# Allegro board FMDEMOD-Long.brd (continued)
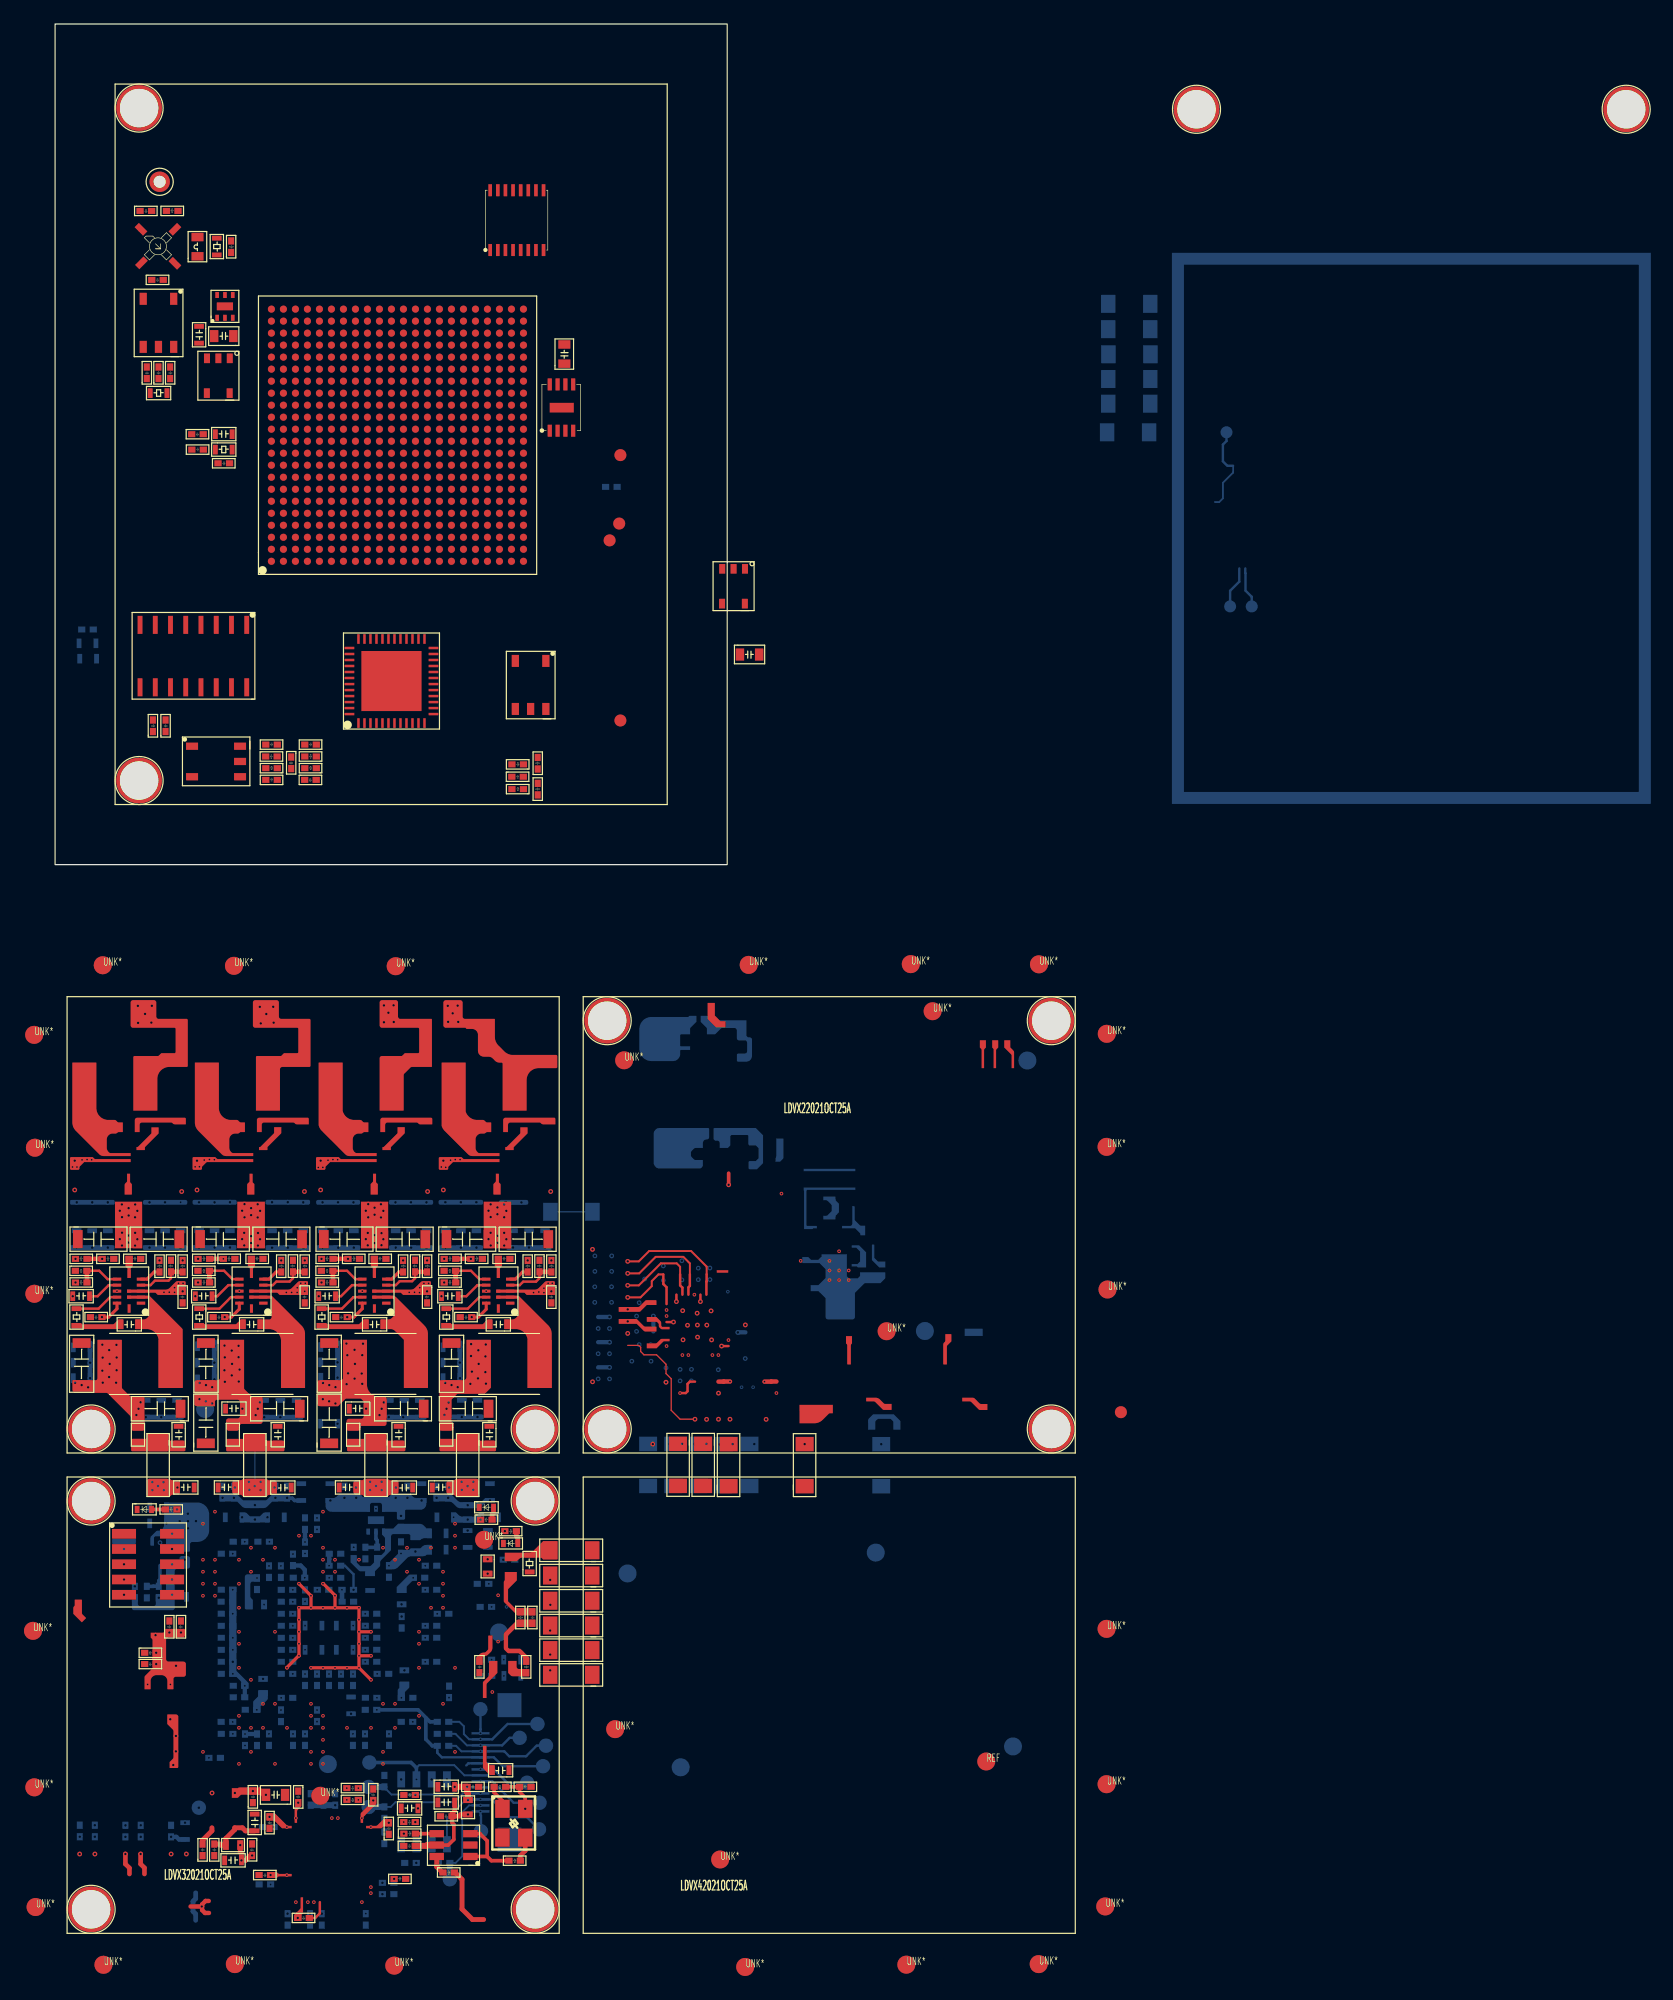
[diagram p0: board, top side]
## Placement (name value [footprint] x y rotation side) (continued)
TP21  T POINT S  [TP_SMD_CIR_1D2]  40.37 -78.13 180 bottom
TP22  T POINT S  [TP_SMD_CIR_1D2]  26.13 -78.48 180 bottom
TP23  T POINT S  [TP_SMD_CIR_1D2]  11.98 -78.54 180 bottom
TP24  T POINT S  [TP_SMD_CIR_1D2]  40.32 -80.34 180 bottom
TP25  T POINT S  [TP_SMD_CIR_1D2]  35.48 -80.5 180 bottom
TP26  T POINT S  [TP_SMD_CIR_1D2]  32.89 -84.5 180 bottom
TP27  T POINT R  [SCREW-M3]  7 63 0 top
TP28  T POINT R  [SCREW-M3]  7 7 0 top
TP29  T POINT R  [SCREW-M3]  3 -47 0 top
TP30  T POINT R  [SCREW-M3]  40 -47 0 top
TP31  T POINT R  [SCREW-M3]  46 -13 0 top
TP32  T POINT R  [SCREW-M3]  83 -13 0 top
TP33  T POINT R  [SCREW-M3]  46 -47 0 top
TP34  T POINT R  [SCREW-M3]  83 -47 0 top
TP35  T POINT R  [SCREW-M3]  95.1 62.9 0 top
TP36  T POINT R  [SCREW-M3]  130.9 62.9 0 top
TP39  T POINT R  [SCREW-M3]  40 -87 0 top
TP40  T POINT R  [SCREW-M3]  3 -87 0 top
TP41  T POINT R  [SCREW-M3]  3 -53 0 top
TP42  T POINT R  [SCREW-M3]  40 -53 0 top
TP43  T POINT R  [TP_SMD_CIR_1D0]  97.6 36 180 bottom
TP44  T POINT R  [TP_SMD_CIR_1D0]  47.1 34.1 0 top
TP45  T POINT R  [TP_SMD_CIR_1D0]  88.8 -45.6 0 top
TP46  T POINT R  [TP_SMD_CIR_1D0]  47.1 12 0 top
TP47  T POINT R  [TP_SMD_CIR_1D0]  99.7 21.5 180 bottom
TP48  T POINT R  [TP_SMD_CIR_1D0]  97.9 21.5 180 bottom
TP49  T POINT R  [TP_SMD_CIR_1D0]  47 28.4 0 top
TP50  T POINT R  [TP_SMD_CIR_1D0]  46.2 27 0 top
U11  MP2326GD  [QFN-14]  6.17 -35.52 180 top
U12  MP2326GD  [QFN-14]  16.36 -35.52 180 top
U13  MP2326GD  [QFN-14]  26.61 -35.52 180 top
U14  MP2326GD  [QFN-14]  36.93 -35.52 180 top
U18  TPA711  [MSOP-8-PAD]  41.22 39.75 0 top
U20  EP4CE40F23I7  [FBGA-484]  18.02 25.26 90 top
U23  SGM2028-3.3  [SOT-23-5]  13.61 40.71 180 top
U24  PCM1754  [SSOP-16]  40.95 50.58 90 top
U29  SGM2028-3.3  [SOT-23-5]  56.53 23.18 180 top
U30  AD8306AR  [SO-16]  11.53 17.36 180 top
U32  SN74LVC2G34DBVR  [SOT-23-6]  34.6 -82.6 180 top
U33  LTC2207  [QFN-48]  28.03 15.29 90 top
U36  TPS74601PBQWDRVRQ1  [WSON-6]  26.74 -54.59 90 bottom
U38  TPS74601PBQWDRVRQ1  [WSON-6]  14.15 46.49 90 top
U49  EPCQ16ASI8N  [SO-8]  32.65 -76.18 180 bottom
UNK*  -  [unnamed#2]  55.41 -82.85 0 top
UNK*#2  -  [unnamed#2]  87.61 -23.51 0 top
UNK*#3  -  [unnamed#2]  35.74 -56.23 0 top
UNK*#4  -  [unnamed#2]  -1.75 -14.18 0 top
UNK*#5  -  [unnamed#2]  -1.68 -23.58 0 top
UNK*#6  -  [unnamed#2]  87.69 -35.38 0 top
UNK*#7  -  [unnamed#2]  14.9 -8.43 0 top
UNK*#8  -  [unnamed#2]  22.1 -77.54 0 top
UNK*#9  -  [unnamed#2]  -1.73 -76.84 0 top
UNK*#10  -  [unnamed#2]  14.97 -91.56 0 top
UNK*#11  -  [unnamed#2]  -1.63 -86.81 0 top
UNK*#12  -  [unnamed#2]  73.11 -12.21 0 top
UNK*#13  -  [unnamed#2]  4.03 -91.62 0 top
UNK*#14  -  [unnamed#2]  87.62 -14.09 0 top
UNK*#15  -  [unnamed#2]  87.61 -76.58 0 top
UNK*#16  -  [unnamed#2]  69.28 -38.86 0 top
UNK*#17  -  [unnamed#2]  57.5 -91.8 0 top
UNK*#18  -  [unnamed#2]  81.97 -8.3 0 top
UNK*#19  -  [unnamed#2]  -1.73 -35.74 0 top
UNK*#20  -  [unnamed#2]  47.41 -16.3 0 top
UNK*#21  -  [unnamed#2]  87.5 -86.76 0 top
UNK*#22  -  [unnamed#2]  81.95 -91.56 0 top
UNK*#23  -  [unnamed#2]  46.66 -72 0 top
UNK*#24  -  [unnamed#2]  28.38 -8.46 0 top
UNK*#25  -  [unnamed#2]  57.79 -8.35 0 top
UNK*#26  -  [unnamed#2]  3.97 -8.38 0 top
UNK*#27  -  [unnamed#2]  71.3 -8.29 0 top
UNK*#28  -  [unnamed#2]  87.61 -63.64 0 top
UNK*#29  -  [unnamed#2]  70.92 -91.61 0 top
UNK*#30  -  [unnamed#2]  -1.84 -63.81 0 top
UNK*#31  -  [unnamed#2]  28.26 -91.69 0 top
UNK*#32  -  [unnamed#2]  -1.62 -86.81 180 bottom
UNK*#33  -  [unnamed#2]  22.73 -74.91 180 bottom
UNK*#34  -  [unnamed#2]  28.38 -8.47 180 bottom
UNK*#35  -  [unnamed#2]  87.61 -63.64 180 bottom
UNK*#36  -  [unnamed#2]  70.92 -91.61 180 bottom
UNK*#37  -  [unnamed#2]  81.95 -91.56 180 bottom
UNK*#38  -  [unnamed#2]  81.01 -16.32 180 bottom
UNK*#39  -  [unnamed#2]  87.5 -86.75 180 bottom
UNK*#40  -  [unnamed#2]  72.47 -38.84 180 bottom
UNK*#41  -  [unnamed#2]  81.97 -8.3 180 bottom
UNK*#42  -  [unnamed#2]  57.79 -8.35 180 bottom
UNK*#43  -  [unnamed#2]  87.68 -35.38 180 bottom
UNK*#44  -  [unnamed#2]  36.99 -63.94 180 bottom
UNK*#45  -  [unnamed#2]  87.61 -76.58 180 bottom
UNK*#46  -  [unnamed#2]  -1.84 -63.81 180 bottom
UNK*#47  -  [unnamed#2]  52.12 -75.17 180 bottom
UNK*#48  -  [unnamed#2]  3.97 -8.38 180 bottom
UNK*#49  -  [unnamed#2]  57.49 -91.8 180 bottom
UNK*#50  -  [unnamed#2]  87.63 -14.09 180 bottom
UNK*#51  -  [unnamed#2]  4.03 -91.62 180 bottom
UNK*#52  -  [unnamed#2]  12.5 -45.33 180 bottom
UNK*#53  -  [unnamed#2]  47.7 -59.03 180 bottom
UNK*#54  -  [unnamed#2]  -1.74 -14.18 180 bottom
UNK*#55  -  [unnamed#2]  79.81 -73.44 180 bottom
UNK*#56  -  [unnamed#2]  -1.73 -76.84 180 bottom
UNK*#57  -  [unnamed#2]  16.31 -30.04 180 bottom
UNK*#58  -  [unnamed#2]  14.9 -8.43 180 bottom
UNK*#59  -  [unnamed#2]  26.65 -30.04 180 bottom
UNK*#60  -  [unnamed#2]  14.97 -91.56 180 bottom
UNK*#61  -  [unnamed#2]  -1.68 -23.58 180 bottom
UNK*#62  -  [unnamed#2]  68.38 -57.29 180 bottom
UNK*#63  -  [unnamed#2]  -1.73 -35.74 180 bottom
UNK*#64  -  [unnamed#2]  87.6 -23.5 180 bottom
UNK*#65  -  [unnamed#2]  71.29 -8.29 180 bottom
UNK*#66  -  [unnamed#2]  28.26 -91.69 180 bottom
Y4  KC3225A49.1520C30E00  [TSX-3225-4P]  36.97 -78.2 270 top

## Library data of the parts
A1 = ERA-2SM
C61-C72 C75-C82 C84-C91 C103-C106 C115-C120 C124-C135 C140 C144 C147 C148 C150-C152 C165 C184 C186 C191-C193 C198-C202 C204-C210 C212-C214 C217 C218 C364-C387 C413-C416 C420-C423 C426-C429 C432-C443 C445-C459 C461-C471 C473 C474 C478 C480-C486 C488-C491 C498-C503 C505-C512 C514 C516-C524 C526 C529-C531 C533 C534 C540-C545 C548-C552 C554-C559 C561-C565 C575 C577-C589 C593 C597-C599 C602 C608 C612-C616 C637-C641 = CAP NP
C143 C145 C146 C149 C164 C171-C173 C175 C211 C215 C216 C221 C604 C605 = CAP NP: signal model: DEFAULT_CAPACITOR_100000pF_2_1
C219 C242 C243 C617 = CAP NP: signal model: DEFAULT_CAPACITOR_1e+06pF_2_1
C220 C222 C244 = CAP NP: signal model: DEFAULT_CAPACITOR_8.200000pF_2_1
D11-D13 = LED
J4 = HEADER-2X5P
J9 = FPC-14P-0.5
L7-L10 = INDUCTOR
L13-L16 L18 L21 L22 L35-L41 = BEAD
L19 = INDUCTOR: signal model: DEFAULT_INDUCTOR_1000nH_2_1
R49-R72 R75-R78 R86-R89 R115-R117 R120 R129-R133 R136-R139 R141 R143 R146 R147 R149 R151 R152 R166 R167 R169 R177 R188 R231 R281-R290 R292 R293 R296 R304-R306 R308 R312 R315-R318 R325 R333 R351 R355 R357 R362 R375 R376 = R
R142 R191 R198 = R: signal model: DEFAULT_RESISTOR_49.900000OHM_2_1
R148 R161 R162 R185 R364-R367 = R: signal model: DEFAULT_RESISTOR_39.000000OHM_2_1
R174 R192-R197 R294 R295 R307 R310 R311 R313 R314 R319 R352 R353 R356 = R: signal model: DEFAULT_RESISTOR_22.000000OHM_2_1
T2-T4 = ADT2-1T+_0
TP3 TP11 TP12 TP27-TP36 TP39-TP50 = T POINT R
TP13-TP26 = T POINT S
U11-U14 = MP2326GD
U18 = TPA711
U20 = EP4CE40F23I7_6
U23 U29 = SGM2028-3.3
U24 = PCM1754
U30 = AD8306AR_0
U32 = SN74LVC2G34DBV
U33 = LTC2207
U36 U38 = TPS74601PBQWDRVRQ1
U49 = EPCS4SI8N_0
Y4 = OSCILLATOR

## Footprints (pads in the part's own frame, mm; a bottom-side part is the same pattern mirrored in y, then rotated)
C0402
  rect 0.6x0.5 smd: 1(0.01,0.25) 2(0.97,0.25)
C0603
  rect 0.4x0.8 smd: 1(0.1,0.4) 2(1.5,0.4)
C0805
  rect 0.7x1 smd: 1(0.2,0.62) 2(1.8,0.62)
C1206
  rect 0.8x1.5 smd: 1(-0.15,0.79) 2(3.35,0.79)
CD54-IND-2P
  rect 2x4 smd: 1(0,2.54) 2(5.08,2.54)
ERA-2SM
  rect 1x0.5 smd: 1(-2,0) 3(2,0)
  rect 0.5x1 smd: 2(0,-1.945) 4(0,2)
FB0603
  rect 0.5x0.8 smd: 1(0.2,0.4) 2(1.4,0.4)
FBGA-484
  round 0.6 smd: A1(0,0) A2(1,0) A3(2,0) A4(3,0) A5(4,0) A6(5,0) A7(6,0) A8(7,0) A9(8,0) A10(9,0) A11(10,0) A12(11,0) A13(12,0) A14(13,0) A15(14,0) A16(15,0) A17(16,0) A18(17,0) A19(18,0) A20(19,0) A21(20,0) A22(21,0) AA1(0,-20) AA2(1,-20) AA3(2,-20) AA4(3,-20) AA5(4,-20) AA6(5,-20) AA7(6,-20) AA8(7,-20) AA9(8,-20) AA10(9,-20) AA11(10,-20) AA12(11,-20) AA13(12,-20) AA14(13,-20) AA15(14,-20) AA16(15,-20) AA17(16,-20) AA18(17,-20) AA19(18,-20) AA20(19,-20) AA21(20,-20) AA22(21,-20) AB1(0,-21) AB2(1,-21) AB3(2,-21) AB4(3,-21) AB5(4,-21) AB6(5,-21) AB7(6,-21) AB8(7,-21) AB9(8,-21) AB10(9,-21) AB11(10,-21) AB12(11,-21) AB13(12,-21) AB14(13,-21) AB15(14,-21) AB16(15,-21) AB17(16,-21) AB18(17,-21) AB19(18,-21) AB20(19,-21) AB21(20,-21) AB22(21,-21) B1(0,-1) B2(1,-1) B3(2,-1) B4(3,-1) B5(4,-1) B6(5,-1) B7(6,-1) B8(7,-1) B9(8,-1) B10(9,-1) B11(10,-1) B12(11,-1) B13(12,-1) B14(13,-1) B15(14,-1) B16(15,-1) B17(16,-1) B18(17,-1) B19(18,-1) B20(19,-1) B21(20,-1) B22(21,-1) C1(0,-2) C2(1,-2) C3(2,-2) C4(3,-2) C5(4,-2) C6(5,-2) C7(6,-2) C8(7,-2) C9(8,-2) C10(9,-2) C11(10,-2) C12(11,-2) C13(12,-2) C14(13,-2) C15(14,-2) C16(15,-2) C17(16,-2) C18(17,-2) C19(18,-2) C20(19,-2) C21(20,-2) C22(21,-2) D1(0,-3) D2(1,-3) D3(2,-3) D4(3,-3) D5(4,-3) D6(5,-3) D7(6,-3) D8(7,-3) D9(8,-3) D10(9,-3) D11(10,-3) D12(11,-3) D13(12,-3) D14(13,-3) D15(14,-3) D16(15,-3) D17(16,-3) D18(17,-3) D19(18,-3) D20(19,-3) D21(20,-3) D22(21,-3) E1(0,-4) E2(1,-4) E3(2,-4) E4(3,-4) E5(4,-4) E6(5,-4) E7(6,-4) E8(7,-4) E9(8,-4) E10(9,-4) E11(10,-4) E12(11,-4) E13(12,-4) E14(13,-4) E15(14,-4) E16(15,-4) E17(16,-4) E18(17,-4) E19(18,-4) E20(19,-4) E21(20,-4) E22(21,-4) F1(0,-5) F2(1,-5) F3(2,-5) F4(3,-5) F5(4,-5) F6(5,-5) F7(6,-5) F8(7,-5) F9(8,-5) F10(9,-5) F11(10,-5) F12(11,-5) F13(12,-5) F14(13,-5) F15(14,-5) F16(15,-5) F17(16,-5) F18(17,-5) F19(18,-5) F20(19,-5) F21(20,-5) F22(21,-5) G1(0,-6) G2(1,-6) G3(2,-6) G4(3,-6) G5(4,-6) G6(5,-6) G7(6,-6) G8(7,-6) G9(8,-6) G10(9,-6) G11(10,-6) G12(11,-6) G13(12,-6) G14(13,-6) G15(14,-6) G16(15,-6) G17(16,-6) G18(17,-6) G19(18,-6) G20(19,-6) G21(20,-6) G22(21,-6) H1(0,-7) H2(1,-7) H3(2,-7) H4(3,-7) H5(4,-7) H6(5,-7) H7(6,-7) H8(7,-7) H9(8,-7) H10(9,-7) H11(10,-7) H12(11,-7) H13(12,-7) H14(13,-7) H15(14,-7) H16(15,-7) H17(16,-7) H18(17,-7) H19(18,-7) H20(19,-7) H21(20,-7) H22(21,-7) J1(0,-8) J2(1,-8) J3(2,-8) J4(3,-8) J5(4,-8) J6(5,-8) J7(6,-8) J8(7,-8) J9(8,-8) J10(9,-8) J11(10,-8) J12(11,-8) J13(12,-8) J14(13,-8) J15(14,-8) J16(15,-8) J17(16,-8) J18(17,-8) J19(18,-8) J20(19,-8) J21(20,-8) J22(21,-8) K1(0,-9) K2(1,-9) K3(2,-9) K4(3,-9) K5(4,-9) K6(5,-9) K7(6,-9) K8(7,-9) K9(8,-9) K10(9,-9) K11(10,-9) K12(11,-9) K13(12,-9) K14(13,-9) K15(14,-9) K16(15,-9) K17(16,-9) K18(17,-9) K19(18,-9) K20(19,-9) K21(20,-9) K22(21,-9) L1(0,-10) L2(1,-10) L3(2,-10) L4(3,-10) L5(4,-10) L6(5,-10) L7(6,-10) L8(7,-10) L9(8,-10) L10(9,-10) L11(10,-10) L12(11,-10) L13(12,-10) L14(13,-10) L15(14,-10) L16(15,-10) L17(16,-10) L18(17,-10) L19(18,-10) L20(19,-10) L21(20,-10) L22(21,-10) M1(0,-11) M2(1,-11) M3(2,-11) M4(3,-11) M5(4,-11) M6(5,-11) M7(6,-11) M8(7,-11) M9(8,-11) M10(9,-11) M11(10,-11) M12(11,-11) M13(12,-11) M14(13,-11) M15(14,-11) M16(15,-11) M17(16,-11) M18(17,-11) M19(18,-11) M20(19,-11) M21(20,-11) M22(21,-11) N1(0,-12) N2(1,-12) N3(2,-12) N4(3,-12) N5(4,-12) N6(5,-12) N7(6,-12) N8(7,-12) N9(8,-12) N10(9,-12) N11(10,-12) N12(11,-12) N13(12,-12) N14(13,-12) N15(14,-12) N16(15,-12) N17(16,-12) N18(17,-12) N19(18,-12) N20(19,-12) N21(20,-12) N22(21,-12) P1(0,-13) P2(1,-13) P3(2,-13) P4(3,-13) P5(4,-13) P6(5,-13) P7(6,-13) P8(7,-13) P9(8,-13) P10(9,-13) P11(10,-13) P12(11,-13) P13(12,-13) P14(13,-13) P15(14,-13) P16(15,-13) P17(16,-13) P18(17,-13) P19(18,-13) P20(19,-13) P21(20,-13) P22(21,-13) R1(0,-14) R2(1,-14) R3(2,-14) R4(3,-14) R5(4,-14) R6(5,-14) R7(6,-14) R8(7,-14) R9(8,-14) R10(9,-14) R11(10,-14) R12(11,-14) R13(12,-14) R14(13,-14) R15(14,-14) R16(15,-14) R17(16,-14) R18(17,-14) R19(18,-14) R20(19,-14) R21(20,-14) R22(21,-14) T1(0,-15) T2(1,-15) T3(2,-15) T4(3,-15) T5(4,-15) T6(5,-15) T7(6,-15) T8(7,-15) T9(8,-15) T10(9,-15) T11(10,-15) T12(11,-15) T13(12,-15) T14(13,-15) T15(14,-15) T16(15,-15) T17(16,-15) T18(17,-15) T19(18,-15) T20(19,-15) T21(20,-15) T22(21,-15) U1(0,-16) U2(1,-16) U3(2,-16) U4(3,-16) U5(4,-16) U6(5,-16) U7(6,-16) U8(7,-16) U9(8,-16) U10(9,-16) U11(10,-16) U12(11,-16) U13(12,-16) U14(13,-16) U15(14,-16) U16(15,-16) U17(16,-16) U18(17,-16) U19(18,-16) U20(19,-16) U21(20,-16) U22(21,-16) V1(0,-17) V2(1,-17) V3(2,-17) V4(3,-17) V5(4,-17) V6(5,-17) V7(6,-17) V8(7,-17) V9(8,-17) V10(9,-17) V11(10,-17) V12(11,-17) V13(12,-17) V14(13,-17) V15(14,-17) V16(15,-17) V17(16,-17) V18(17,-17) V19(18,-17) V20(19,-17) V21(20,-17) V22(21,-17) W1(0,-18) W2(1,-18) W3(2,-18) W4(3,-18) W5(4,-18) W6(5,-18) W7(6,-18) W8(7,-18) W9(8,-18) W10(9,-18) W11(10,-18) W12(11,-18) W13(12,-18) W14(13,-18) W15(14,-18) W16(15,-18) W17(16,-18) W18(17,-18) W19(18,-18) W20(19,-18) W21(20,-18) W22(21,-18) Y1(0,-19) Y2(1,-19) Y3(2,-19) Y4(3,-19) Y5(4,-19) Y6(5,-19) Y7(6,-19) Y8(7,-19) Y9(8,-19) Y10(9,-19) Y11(10,-19) Y12(11,-19) Y13(12,-19) Y14(13,-19) Y15(14,-19) Y16(15,-19) Y17(16,-19) Y18(17,-19) Y19(18,-19) Y20(19,-19) Y21(20,-19) Y22(21,-19)
FPC-14P-0D5
  rect 0.2x1.5 smd: 1(-3.251,3.479) 2(-2.751,3.479) 3(-2.251,3.479) 4(-1.751,3.479) 5(-1.251,3.479) 6(-0.751,3.479) 7(-0.251,3.479) 8(0.249,3.479) 9(0.749,3.479) 10(1.249,3.479) 11(1.749,3.479) 12(2.249,3.479) 13(2.749,3.479) 14(3.249,3.479)
  rect 2x2 smd: M1(-5.6,1.06) M2(5.6,1.066)
HEADER-2X5P-1D27-SMD
  rect 0.8x2 smd: 1(0,-4) 2(1.27,-4) 3(2.54,-4) 4(3.81,-4) 5(5.08,-4) 6(5.08,0) 7(3.81,0) 8(2.54,0) 9(1.27,0) 10(0,0)
L0805
  rect 0.7x1 smd: 1(0.2,0.62) 2(1.8,0.62)
LED0402
  rect 0.4x0.6 smd: 1(-0.1,0.25) 2(1.1,0.25)
MSOP-8-PAD
  rect 0.35x1 smd: 1(-0.001,-3.615) 2(0.649,-3.615) 3(1.299,-3.615) 4(1.949,-3.615) 5(1.949,0.241) 6(1.299,0.241) 7(0.649,0.241) 8(-0.001,0.241)
  rect 2x0.8 smd: 9(0.995,-1.694)
QFN-14
  rect 0.7x0.25 smd: 1(-0.99,1) 2(-0.99,0.5) 3(-0.99,0) 4(-0.99,-0.5) 5(-0.99,-1) 7(1.01,-1) 8(1.01,-0.5) 9(1.01,0) 10(1.01,0.5) 11(1.01,1)
  rect 0.25x0.7 smd: 6(0,-1.45) 12(0,1.45)
  rect 0.35x0.25 smd: 13(0,0.5) 14(0,0)
QFN-48
  rect 0.8x0.2 smd: 1(-3.5,2.75) 2(-3.5,2.25) 3(-3.5,1.75) 4(-3.5,1.25) 5(-3.5,0.75) 6(-3.5,0.25) 7(-3.5,-0.25) 8(-3.5,-0.75) 9(-3.5,-1.25) 10(-3.5,-1.75) 11(-3.5,-2.25) 12(-3.5,-2.75) 25(3.5,-2.75) 26(3.5,-2.25) 27(3.5,-1.75) 28(3.5,-1.25) 29(3.5,-0.75) 30(3.5,-0.25) 31(3.5,0.25) 32(3.5,0.75) 33(3.5,1.25) 34(3.5,1.75) 35(3.5,2.25) 36(3.5,2.75)
  rect 0.2x0.8 smd: 13(-2.75,-3.5) 14(-2.25,-3.5) 15(-1.75,-3.5) 16(-1.25,-3.5) 17(-0.75,-3.5) 18(-0.25,-3.5) 19(0.25,-3.5) 20(0.75,-3.5) 21(1.25,-3.5) 22(1.75,-3.5) 23(2.25,-3.5) 24(2.75,-3.5) 37(2.75,3.5) 38(2.25,3.5) 39(1.75,3.5) 40(1.25,3.5) 41(0.75,3.5) 42(0.25,3.5) 43(-0.25,3.5) 44(-0.75,3.5) 45(-1.25,3.5) 46(-1.75,3.5) 47(-2.25,3.5) 48(-2.75,3.5)
  rect 5x5 smd: 49(0,0)
R0402
  rect 0.6x0.5 smd: 1(0.01,0.25) 2(0.97,0.25)
R0603
  rect 0.4x0.8 smd: 1(0.1,0.4) 2(1.5,0.4)
R1206
  rect 1.2x1.5 smd: 1(-0.15,0.8) 2(3.35,0.8)
SCREW-M3
  round 3.8 hole 3.2 unplated: (0,0)
SM-22
  rect 0.6x1 smd: 1(0.64,-0.1) 2(3.18,-0.1) 3(3.18,3.9) 4(1.91,3.9) 5(0.64,3.9)
SO-8
  rect 0.65x1.35 smd: 1(0,-5.4) 2(1.27,-5.4) 3(2.54,-5.4) 4(3.81,-5.4) 5(3.81,0) 6(2.54,0) 7(1.27,0) 8(0,0)
SO-16
  rect 0.4x1.5 smd: 1(-4.437,-2.605) 2(-3.167,-2.605) 3(-1.897,-2.605) 4(-0.627,-2.605) 5(0.643,-2.605) 6(1.913,-2.605) 7(3.183,-2.605) 8(4.453,-2.605) 9(4.453,2.595) 10(3.183,2.595) 11(1.913,2.595) 12(0.643,2.595) 13(-0.627,2.595) 14(-1.897,2.595) 15(-3.167,2.595) 16(-4.437,2.595)
SOT-23-5
  rect 0.5x0.8 smd: 1(-0.95,-1.45) 2(0,-1.45) 3(0.95,-1.45) 4(0.96,1.45) 5(-0.94,1.45)
SOT-23-6
  rect 1.2x0.6 smd: 1(0,0) 2(0,-0.95) 3(0,-1.9) 4(2.8,-1.9) 5(2.8,-0.95) 6(2.8,0)
SSOP-16
  rect 1x0.3 smd: 1(0.6,4.7) 2(0.6,4.065) 3(0.6,3.43) 4(0.6,2.795) 5(0.6,2.16) 6(0.6,1.525) 7(0.6,0.89) 8(0.6,0.255) 9(5.58,0.255) 10(5.58,0.89) 11(5.58,1.525) 12(5.58,2.16) 13(5.58,2.795) 14(5.58,3.43) 15(5.58,4.065) 16(5.58,4.7)
TP_SMD_CIR_1D0
  round 1 smd: 1(0,0)
TP_SMD_CIR_1D2
  round 1.2 smd: 1(0,0)
TP_SMD_CIR_2D0
  round 2 smd: 1(0,0)
TP_THR_CIR_1D7_1D0
  round 1.7 hole 1: 1(0,0)
TSX-3225-4P
  rect 1.5x1.2 smd: 1(0.43,0.3) 2(2.83,0.3) 3(2.83,2.2) 4(0.43,2.2)
unnamed#2
  round 1.5 smd: (0,0)
WSON-6
  rect 0.5x0.3 smd: 1(-0.952,0.648) 2(-0.952,-0.002) 3(-0.952,-0.652) 4(0.948,-0.652) 5(0.948,-0.002) 6(0.948,0.648)
  rect 0.65x1.35 smd: 7(0,0)

## Nets
1V2_FPGA: C135.2 C446.2 C447.2 C448.2 L35.2 R132.2
1V2_FPGA_PWR: C78.1 C106.2 C120.2 C415.2 C421.2 C428.2 C432.2 C433.2 C434.2 L10.2 L16.1 R78.2
2V5_FPGA: C467.2 C489.2 L37.1 R292.1 R304.2 R306.1 U36.1
2V5_FPGA_IN: C133.2 C134.2 C449.2 C450.2 C451.2 C452.2 C453.2 C454.2 R131.2 R292.2 U36.4 U36.6
2V5_FPGA_PWR: C77.1 C105.2 C118.2 C119.2 C125.2 C414.2 C420.2 C426.2 C438.2 C439.2 C440.2 C445.2 L9.2 L15.1 R77.2
3V3_FPGA: C131.2 C132.2 C455.2 C456.2 C457.2 C458.2 C459.2 L36.1 R130.2
3V3_FPGA_PWR: C76.1 C104.2 C116.2 C117.2 C124.2 C413.2 C422.2 C429.2 C441.2 C442.2 C443.2 L8.2 L14.1 R76.2
3V3_IF: C165.2 C184.2 R161.2 R364.2 R365.2 R366.2 U23.5(\OUT\)
5V_FPGA: C145.2 C146.2 C147.2 C148.2 C150.2 C200.2 C201.2 C468.2 C480.2 C488.2 C503.2 L18.1 R148.2 R308.1 R315.2 R317.1 U23.1 U23.3 U29.1 U29.3 U38.1
5V_FPGA_IN: C130.1 C461.2 C466.2 R129.2 R308.2 TP11.1(\TP\) U38.4 U38.6
5V_FPGA_PWR: C75.1 C103.2 C115.2 C416.2 C423.2 C427.2 C435.2 C436.2 C437.2 L7.2 L13.1 R75.2
GND: A1.2 A1.4 C61.1 C62.1 C63.1 C64.1 C65.1 C66.1 C67.1 C68.1 C69.1 C70.1 C71.1 C72.1 C79.2 C80.2 C81.2 C82.2 C84.1 C85.1 C86.1 C87.1 C103.1 C104.1 C105.1 C106.1 C115.1 C116.1 C117.1 C118.1 C119.1 C120.1 C124.1 C125.1 C126.1 C127.1 C128.1 C129.1 C130.2 C131.1 C132.1 C133.1 C134.1 C135.1 C145.1 C146.1 C147.1 C148.1 C150.1 C151.1 C164.1 C165.1 C172.1 C175.2 C184.1 C186.1 C191.1 C192.1 C193.1 C198.1 C199.1 C200.1 C201.1 C202.1 C204.1 C205.1 C206.1 C207.1 C208.1 C209.1 C210.1 C211.1 C212.1 C213.1 C214.1 C217.1 C218.1 C220.1 C221.1 C242.2 C244.2 C364.1 C365.1 C366.1 C367.1 C368.1 C369.1 C370.1 C371.1 C372.1 C373.1 C374.1 C375.1 C376.1 C377.1 C378.1 C379.1 C380.1 C381.1 C382.1 C383.1 C384.1 C385.1 C386.1 C387.1 C413.1 C414.1 C415.1 C416.1 C420.1 C421.1 C422.1 C423.1 C426.1 C427.1 C428.1 C429.1 C432.1 C433.1 C434.1 C435.1 C436.1 C437.1 C438.1 C439.1 C440.1 C441.1 C442.1 C443.1 C445.1 C446.1 C447.1 C448.1 C449.1 C450.1 C451.1 C452.1 C453.1 C454.1 C455.1 C456.1 C457.1 C458.1 C459.1 C461.1 C462.1 C463.1 C464.1 C465.1 C466.1 C467.1 C468.1 C469.1 C470.1 C471.2 C473.1 C474.1 C478.1 C480.1 C481.1 C482.2 C483.2 C484.2 C485.1 C486.1 C488.1 C489.1 C490.1 C491.1 C498.2 C499.1 C500.1 C501.1 C502.1 C503.1 C505.1 C506.1 C507.1 C508.1 C509.1 C510.1 C511.1 C512.1 C514.1 C516.1 C517.1 C518.1 C519.1 C520.1 C521.1 C522.1 C523.1 C524.1 C526.1 C529.1 C530.1 C531.1 C533.1 C534.1 C540.2 C541.1 C542.1 C543.1 C544.1 C545.1 C548.1 C549.1 C550.1 C551.1 C552.2 C554.1 C555.1 C556.1 C557.1 C558.1 C559.1 C561.1 C562.1 C563.1 C564.2 C565.2 C575.1 C577.1 C578.1 C579.1 C580.1 C581.1 C582.2 C583.2 C584.2 C585.2 C586.2 C587.2 C588.2 C589.1 C593.2 C597.1 C598.1 C599.1 C602.1 C604.2 C608.1 C612.1 C613.1 C614.1 C615.2 C616.1 C617.2 C637.1 C638.1 C639.1 C640.1 C641.2 D11.1(\CATHODE\) D12.1(\CATHODE\) D13.1(\CATHODE\) J4.1 J9.6 J9.M1 J9.M2(\M2\) R50.1 R52.1 R54.1 R56.1 R58.1 R61.1 R64.1 R67.1 R69.1 R70.1 R71.1 R72.1 R139.1 R142.1 R231.1 R231.2 R287.1 R287.2 R288.1 R288.2 R289.1 R289.2 R290.1 R290.2 R294.1 R305.1 R307.1 R313.1 R316.1 R319.1 R353.1 R357.2 R367.1 T2.2 T3.2 TP12.1(\TP\) U11.1 U11.12 U12.1 U12.12 U13.1 U13.12 U14.1 U14.12 U18.1 U18.7 U18.9 U20.A1 U20.A22 U20.AA2 U20.AA22 U20.AB1 U20.AB6 U20.AB22 U20.C5 U20.C9 U20.C11 U20.C12 U20.C14 U20.C16 U20.C18 U20.D3 U20.D8 U20.E18 U20.E20 U20.F3 U20.F5 U20.F12 U20.G2 U20.G20 U20.H3 U20.H12 U20.H13 U20.J9 U20.J15 U20.J19 U20.K3 U20.K10 U20.K11 U20.K12 U20.K13 U20.K16 U20.L10 U20.L11 U20.L12 U20.L13 U20.L15 U20.L20 U20.M10 U20.M11 U20.M12 U20.M13 U20.N3 U20.N10 U20.N11 U20.N12 U20.N13 U20.N15 U20.P8 U20.P19 U20.R3 U20.R9 U20.R11 U20.R13 U20.T20 U20.U3 U20.U5 U20.V18 U20.V20 U20.W3 U20.Y5 U20.Y9 U20.Y11 U20.Y12 U20.Y15 U20.Y16 U20.Y18 U20.Y20 U23.2 U24.4 U24.9 U29.2 U30.1 U30.3 U30.6 U30.7 U30.11 U30.14 U32.2 U33.5 U33.8 U33.11 U33.15 U33.16 U33.23 U33.31 U33.38 U33.44 U33.48 U33.49 U36.3 U36.7 U38.3 U38.7 U49.4 Y4.2
VBAT_IN: C61.2 C62.2 C63.2 C64.2 C65.2 C66.2 C67.2 C68.2 C79.1 C80.1 C81.1 C82.1 C364.2 C365.2 C366.2 C367.2 C368.2 C369.2 C370.2 C371.2 C372.2 C373.2 C374.2 C375.2 C376.2 C377.2 C378.2 C379.2 C380.2 C381.2 C382.2 C383.2 C384.2 C385.2 C386.2 C387.2 R49.2 R51.2 R53.2 R55.2 R59.2 R62.2 R65.2 R68.2 U11.3(\VIN#3\) U11.14 U12.3(\VIN#3\) U12.14 U13.3(\VIN#3\) U13.14 U14.3(\VIN#3\) U14.14
VCCA_2V5: C473.2 C474.2 C482.1 C483.1 C484.1 C564.1 C565.1 C575.2 C578.2 C579.2 J9.5 L37.2 R352.1 R356.1 TP18.1(\TP\) U20.F18 U20.G6 U20.T6 U20.U18
VCCINT_1V2: C462.2 C463.2 C469.2 C486.2 C499.2 C501.2 C502.2 C506.2 C509.2 C511.2 C514.2 C516.2 C517.2 C518.2 C520.2 C522.2 C526.2 C529.2 C530.2 C531.2 C534.2 C542.2 C543.2 C548.2 C550.2 C554.2 C555.2 C556.2 C557.2 C558.2 L35.1 L38.2 L39.2 L40.2 L41.2 U20.G12 U20.H9 U20.J10 U20.J11 U20.J12 U20.J13 U20.J14 U20.J16 U20.K9 U20.K14 U20.K15 U20.L9 U20.L14 U20.L16 U20.M9 U20.M14 U20.M15 U20.N9 U20.N14 U20.P9 U20.P10 U20.P11 U20.P12 U20.P13 U20.P14 U20.R8 U20.R10 U20.R12
VCCIO_3V3: C191.2 C192.2 C198.2 C199.2 C202.2 C205.2 C208.2 C209.2 C217.2 C464.2 C465.2 C470.2 C471.1 C478.2 C481.2 C498.1 C500.2 C505.2 C510.2 C512.2 C519.2 C521.2 C523.2 C524.2 C533.2 C544.2 C545.2 C549.2 C559.2 C561.2 C562.2 C580.2 C581.2 C582.1 C583.1 C584.1 C585.1 C586.1 C587.1 C588.1 C593.1 C597.2 C598.2 C599.2 C602.2 C608.2 C612.2 C614.2 J4.10 J9.14 L21.1 L36.2 R293.2 R295.2 R310.2 R311.2 R314.2 R351.1 R355.1 R362.2 R375.2 TP25.1(\TP\) U20.A2 U20.A21 U20.AA6 U20.AB2 U20.AB21 U20.D4 U20.D5 U20.D9 U20.D11 U20.D12 U20.D14 U20.D16 U20.D18 U20.E8(\VCCIO8#E8\) U20.E19 U20.F4 U20.G19 U20.H4 U20.J20 U20.K4 U20.L19 U20.N4 U20.P18 U20.R4 U20.T19 U20.U4 U20.V19 U20.W4 U20.W5 U20.W9 U20.W11 U20.W12 U20.W16 U20.W18 U20.Y14 U20.Y19 U33.24 U33.25 U33.36 U33.37 U33.45 U49.3 U49.7 U49.8(\VCC#8\)
A_DEMP: U20.AA3 U24.13
A_FMT: U20.AA4 U24.15
A_MUTE: U20.AB3 U24.14
AD0: U20.Y2 U33.18
AD1: U20.Y1 U33.19
AD2: U20.W2 U33.20
AD3: U20.W1 U33.21
AD4: U20.V2 U33.22
AD5: U20.V1 U33.26
AD6: U20.U2 U33.27
AD7: U20.U1 U33.28
AD8: U20.R2 U33.32
AD9: U20.R1 U33.33
AD10: U20.P2 U33.34
AD11: U20.P1 U33.35
AD12: U20.N2 U33.39
AD13: U20.N1 U33.40
AD14: U20.M2 U33.41
AD15: U20.M1 U33.42
AD_DITH: U20.AA1 U33.17
AD_PGA: U20.R5 U33.47
AD_RAND: U20.R6 U33.46
ADC_3V3: C213.2 C214.2 C218.2 C613.2 C616.2 C637.2 C638.2 C639.2 C640.2 L22.2 U33.1 U33.3 U33.4(\VDD#4\) U33.12 U33.13 U33.14
AIN+: R194.1 U33.6
AIN-: R196.1 U33.7
ASDO: J9.7 TP19.1(\TP\) U20.D1 U49.5
AUDIO_5V: C491.2 C507.2 C508.2 C540.1 C541.2 C551.2 C552.1 L18.2 U18.3 U18.6 U24.6
AUDIO_OUT: R138.1
CLK2FPGA: R177.2 U20.G1
CLK_3V3: C193.2 C204.2 C206.2 C210.2 L21.2 R166.2 U32.5(\VCC\) Y4.4(\VCC\)
CLK_AD+: R167.2 U20.T2
CLK_AD-: R169.2 U20.T1
CLKO+: R167.1 U33.30
CLKO-: R169.1 U33.29
CONF_DONE: J9.13 R375.1 TP26.1(\TP\) U20.M18
CPU_RST_FPGA: TP45.1(\TP\)
CPU_RST_MCU: R281.2
CPU_UART2_RXD: R285.2 R312.1
CPU_UART2_TXD: R284.2 R318.1
CPU_UART3_RXD: R117.2
CPU_UART3_TXD: R283.2
CPU_UART4_RXD: R282.1
CPU_UART4_RXD_X: R282.2 R376.1
CPU_UART4_TXD: R286.1
CPU_UART4_TXD_X: R286.2 R296.1
DATA0: J9.9 R174.1 TP21.1(\TP\) U20.K1
DCLK: J9.8 TP17.1(\TP\) U20.K2 U49.6
ECSPI3_CS0: R284.1
ECSPI3_MISO: R116.1
ECSPI3_MOSI: R115.1
ECSPI3_SCLK: R285.1
ENC+: R197.2 U33.9
ENC-: R192.2 U33.10
FPGA_RST_CPU: TP46.1(\TP\) U20.AB7
FPGA_RST_MCU: R152.2 U20.AB9
FPGA_SPI2_CS: R147.2 U20.AA15
FPGA_SPI2_MISO: R333.2 U20.AB14
FPGA_SPI2_MOSI: R149.2 U20.AA14
FPGA_SPI2_SCLK: R325.2 U20.AB15
FPGA_SPI_CS: R318.2 U20.AB16
FPGA_SPI_MISO: R143.2 U20.AA16
FPGA_SPI_MOSI: R141.2 U20.AA17
FPGA_SPI_SCLK: R312.2 U20.AB17
FPGA_UART2_RXD: TP50.1(\TP\) U20.V5
FPGA_UART2_TXD: TP49.1(\TP\) U20.V4
FPGA_UART_RXD: R296.2 U20.AB18
FPGA_UART_TXD: R376.2 U20.Y3
I2S_BCK: U20.Y4 U24.1
I2S_DATA: U20.AB5 U24.2
I2S_LRCK: U20.AA5 U24.3
I2S_SCK: U20.AB4 U24.16
IO2: J4.2 U20.A18
IO3: J4.3 U20.A17
IO4: J4.4 U20.A16
IO5: J4.5 U20.A15
IO6: J4.6 U20.B15
IO7: J4.7 U20.B16
IO8: J4.8 U20.B17
IO9: J4.9 U20.B18
LDO_3V3: C207.2 C212.2 L22.1 U29.5(\OUT\)
LED1: R136.1 U20.AB20
LED2: R137.1 U20.AB19
LED3: R133.1 U20.B22
MCU_RST_CPU: R120.1
MCU_RST_FPGA: TP43.1(\TP\)
MCU_SPI2_MISO: R333.1
MCU_SPI2_MOSI: R149.1
MCU_SPI2_NSS: R147.1
MCU_SPI2_SCK: R325.1
MCU_UART1_RXD: R283.1
MCU_UART1_TXD: R117.1
MCU_UART4_RXD: TP47.1(\TP\)
MCU_UART4_TXD: TP48.1(\TP\)
MSEL0: R314.1 R319.2 U20.M17
MSEL1: R307.2 R311.1 U20.L18
MSEL2: R310.1 R313.2 U20.L17
MSEL3: R294.2 R295.1 U20.K20
NCE: J9.10 R357.1 TP20.1(\TP\) U20.L3
NCONFIG: J9.11 R362.1 TP22.1(\TP\) U20.K5
NCSO: J9.12 TP24.1(\TP\) U20.E2 U49.1
NRST_CPU: R120.2
NRST_FPGA: TP44.1(\TP\) U20.AB8
NRST_MCU: R152.1 R281.1
NSTATUS: R351.2 U20.K6
RSSI: C605.1 TP23.1(\TP\) U30.16
TCK: J9.3 R353.2 TP15.1(\TP\) U20.L2
TDI: J9.4 R356.2 TP16.1(\TP\) U20.L5
TDO: J9.1 TP13.1(\TP\) U20.L4
TMS: J9.2 R352.2 TP14.1(\TP\) U20.L1
VCOM: C242.1 C615.1 C617.1 C641.1 R193.1 R195.2 T4.4 U33.2
VDPL1: C563.2 L40.1 U20.U6
VDPL2: C490.2 L39.1 U20.E17
VDPL3: C577.2 L41.1 U20.F6
VDPL4: C485.2 L38.1 U20.V17
N7355971: R115.2 R141.1
N7356015: R116.2 R143.1
N7424382: C144.1 R146.1 R151.2 U18.4
N7424390: C140.1 C144.2 R146.2 U18.5
N7424630: C140.2 R138.2 R139.2
N7424650: C186.2 U24.10
N7424654: C152.1 U24.7
N7424662: C152.2 R151.1
N7424742: C151.2 U18.2
N7454523: R174.2 U49.2
N7455499: D11.2 R136.2
N7455557: D13.2 R137.2
N7467286: C589.2 R355.2 U20.E4
N7498655: C211.2 U29.4
N7538451: R293.1 U20.L22
N7578107: C143.2 R142.2 TP3.1(\TP\)
N7578654: A1.1 C143.1